# Altium PCB HIL_RIG_REV_1_1.PcbDoc (part 1 of 5) (continued)
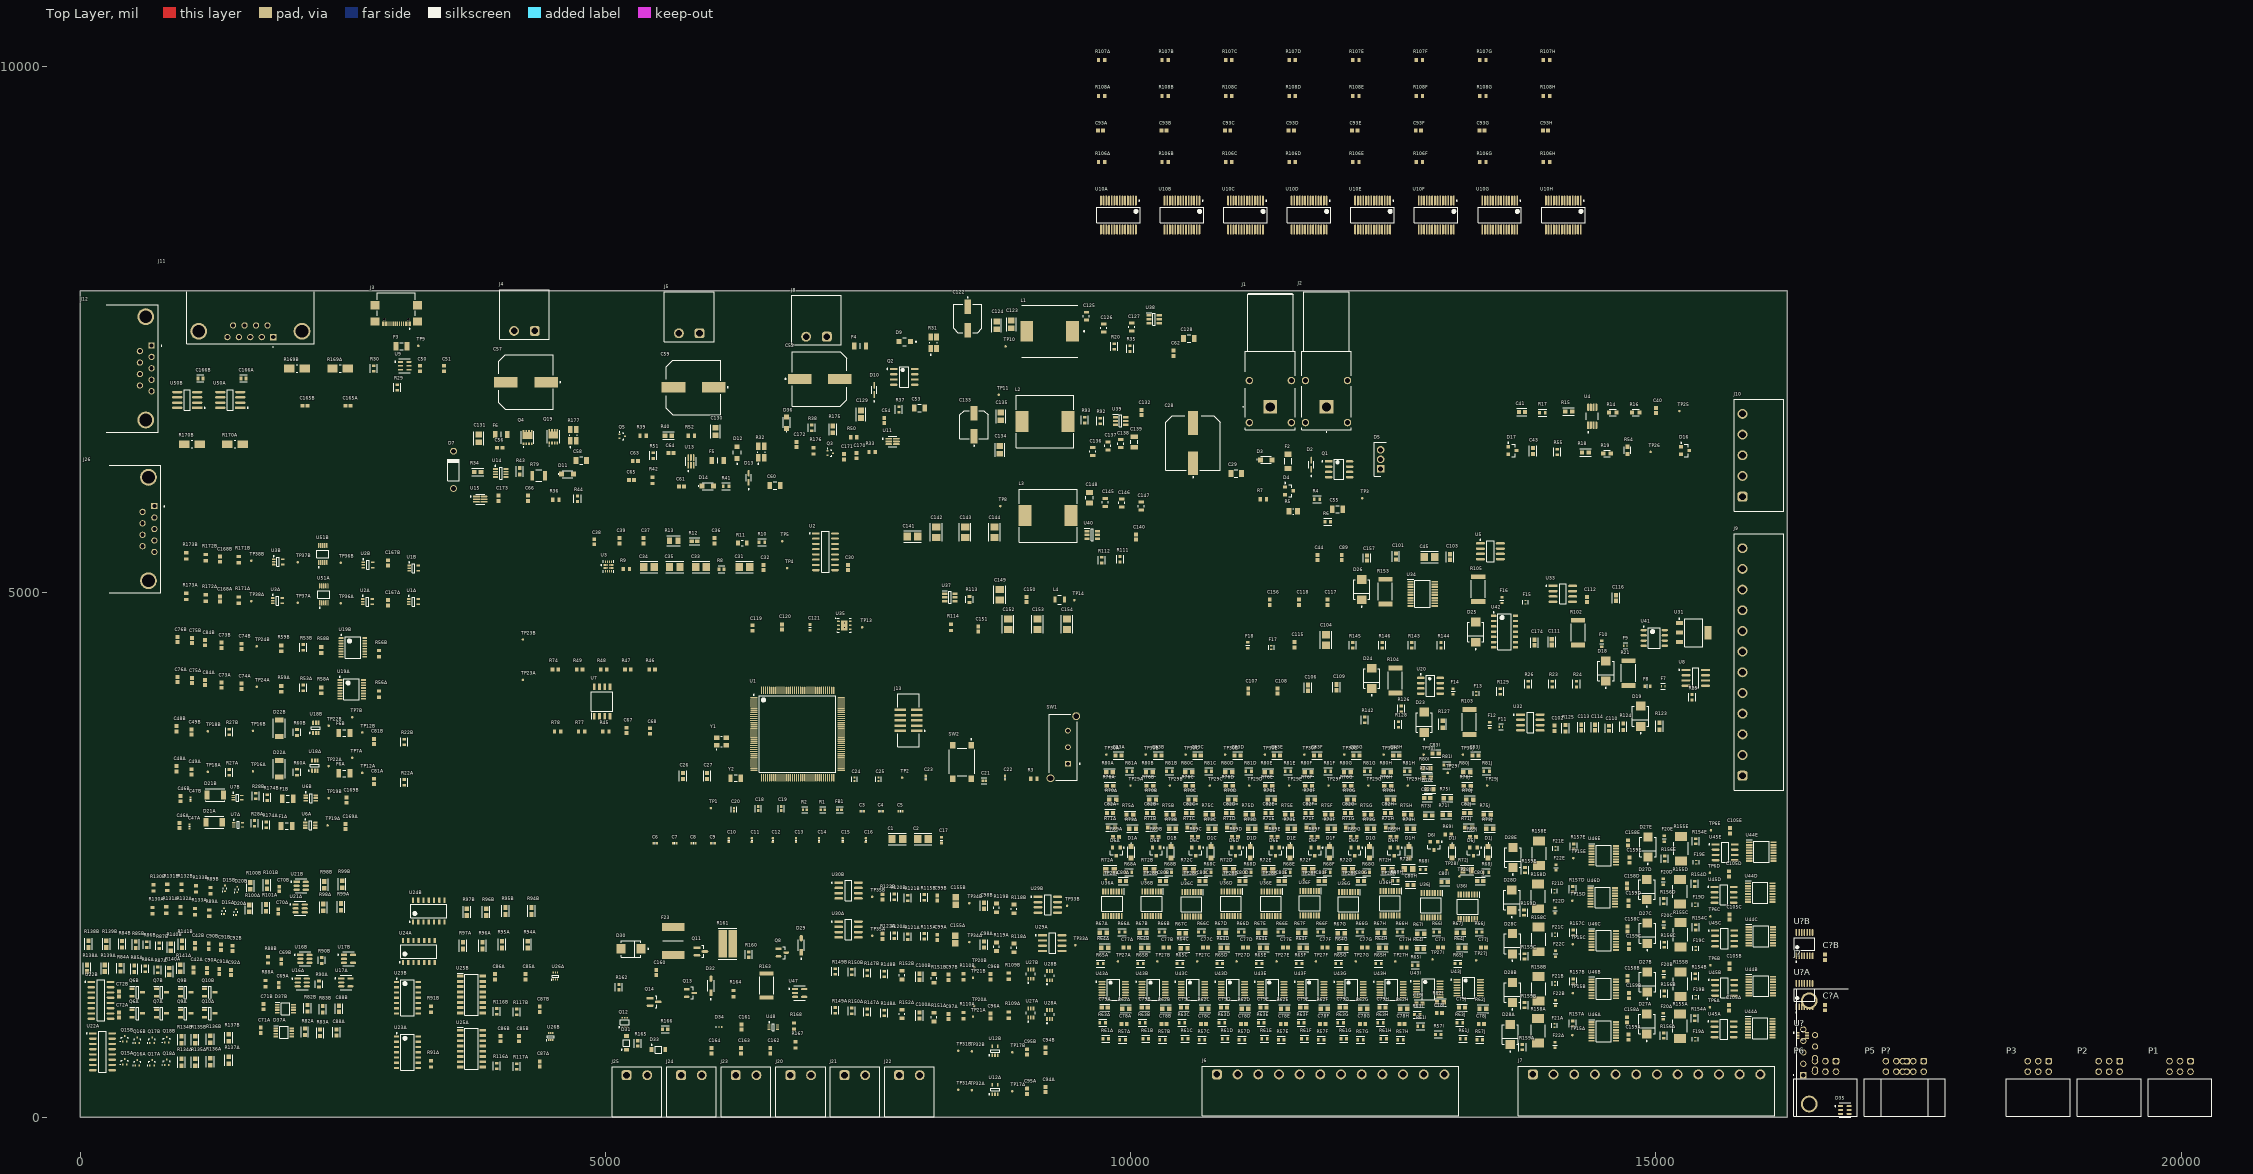
[diagram p0: Top Layer view]
## Components (designator, comment, footprint, x,y, rotation, side; value= is the part's Value field where it differs from the comment)
C1 "GCJ31CC71E106KA15K" FP-GCJ31C-0_4-IPC_B 7780,2650 r0 top value=10µF
C2 "GCJ31CC71E106KA15K" FP-GCJ31C-0_4-IPC_B 8025,2650 r0 top value=10µF
C3 "Capacitor 100nF +/-20% 10V 0402" CAPC0402(1005)60_L 7445,2915 r0 top value=100nF
C4 "Capacitor 100nF +/-20% 10V 0402" CAPC0402(1005)60_L 7625,2915 r0 top value=100nF
C5 "Capacitor 100nF +/-20% 10V 0402" CAPC0402(1005)60_L 7810,2915 r0 top value=100nF
C6 "Capacitor 100nF +/-20% 10V 0402" CAPC0402(1005)60_L 5475,2610 r0 top value=100nF
C7 "Capacitor 100nF +/-20% 10V 0402" CAPC0402(1005)60_L 5660,2610 r0 top value=100nF
C8 "Capacitor 100nF +/-20% 10V 0402" CAPC0402(1005)60_L 5840,2610 r0 top value=100nF
C9 "Capacitor 100nF +/-20% 10V 0402" CAPC0402(1005)60_L 6025,2610 r0 top value=100nF
C10 "Capacitor 100nF +/-20% 10V 0402" CAPC0402(1005)60_L 6175,2640 r90 top value=100nF
C11 "Capacitor 100nF +/-20% 10V 0402" CAPC0402(1005)60_L 6395,2640 r90 top value=100nF
C12 "Capacitor 100nF +/-20% 10V 0402" CAPC0402(1005)60_L 6595,2640 r90 top value=100nF
C13 "Capacitor 100nF +/-20% 10V 0402" CAPC0402(1005)60_L 6815,2640 r90 top value=100nF
C14 "Capacitor 100nF +/-20% 10V 0402" CAPC0402(1005)60_L 7035,2640 r90 top value=100nF
C15 "Capacitor 100nF +/-20% 10V 0402" CAPC0402(1005)60_L 7260,2640 r90 top value=100nF
C16 "Capacitor 100nF +/-20% 10V 0402" CAPC0402(1005)60_L 7480,2640 r90 top value=100nF
C17 "Capacitor 4.7µF +/-20% 10V 0603" CAPC0603(1608)100_L 8200,2640 r90 top value=4.7µF
C18 "GJM1555C1H140GB01D" FP-GJM155-0_05-IPC_A 6455,2940 r90 top value=14pF
C19 "GJM1555C1H140GB01D" FP-GJM155-0_05-IPC_A 6675,2940 r90 top value=14pF
C20 "0402YD105MAT2A" FP-0402-L_1_0_1-W_0_5_0_1-IPC_C 6225,2930 r90 top value=1µF
C21 "0402YD105MAT2A" FP-0402-L_1_0_1-W_0_5_0_1-IPC_C 8605.61,3205 r0 top value=1µF
C22 "Capacitor 10nF +/-20% 50V 0402" CAPC0402(1005)60_L 8805,3235 r90 top value=10nF
C23 "Capacitor 100nF +/-20% 10V 0402" CAPC0402(1005)60_L 8050,3235 r90 top value=100nF
C24 "CC0402MRX5R7BB225" FP-CC0402-IPC_C 7370,3220 r90 top value=2.2µF
C25 "CC0402MRX5R7BB225" FP-CC0402-IPC_C 7600,3220 r90 top value=2.2µF
C26 "C0603C209D4GACTU" FP-C0603C-CF-IPC_B 5740,3250 r90 top value=2pF
C27 "C0603C209D4GACTU" FP-C0603C-CF-IPC_B 5970,3250 r90 top value=2pF
C28 "EMVY101ARA101MKE0S" FP-MVYAKE0-MFG 10595,6420 r90 top value=100µF
C29 "GRM31C5C2A104JA01L" FP-GRM31C-0_2-e0_3_0_8-IPC_C 11005,6130 r0 top value=100nF
C30 "Capacitor 100 nF +/-10% 50 V 0603" CAPC1608X90X40NL10T20 7310,5235 r90 top value=100nF
C31 "GCJ31CC71E106KA15K" FP-GCJ31C-0_4-IPC_B 6325,5240 r0 top value=10µF
C32 "Capacitor 100 nF +/-10% 50 V 0603" CAPC1608X90X40NL10T20 6505,5235 r90 top value=100nF
C33 "GCJ31CC71E106KA15K" FP-GCJ31C-0_4-IPC_B 5910,5240 r0 top value=10µF
C34 "GCJ31CC71E106KA15K" FP-GCJ31C-0_4-IPC_B 5415,5240 r0 top value=10µF
C35 "GCJ31CC71E106KA15K" FP-GCJ31C-0_4-IPC_B 5660,5240 r0 top value=10µF
C36 "Capacitor 100 nF +/-10% 50 V 0603" CAPC1608X90X40NL10T20 6040,5490 r90 top value=100nF
C37 "Capacitor 100 nF +/-10% 50 V 0603" CAPC1608X90X40NL10T20 5365,5490 r90 top value=100nF
C38 "C0603C105M3PACTU" CAPC1608X90X35LL15T15 4895,5480 r90 top value=1µF
C39 "Capacitor 100 nF +/-10% 50 V 0603" CAPC1608X90X40NL10T20 5135,5490 r90 top value=100nF
C40 "Capacitor 100 nF +/-10% 50 V 0603" CAPC1608X90X40NL10T20 15000,6730 r90 top value=100nF
C41 "C0603C103K8RAC" FP-C0603C-CF-IPC_B 13725,6715 r0 top value=10nF
C42A "Capacitor 100 nF +/-10% 50 V 0603" CAPC1608X90X40NL10T20 1080,1405 r90 top value=100nF (schematic designator C42)
C42B "Capacitor 100 nF +/-10% 50 V 0603" CAPC1608X90X40NL10T20 1095,1635 r90 top value=100nF (schematic designator C42)
C43 "C0603C103K8RAC" FP-C0603C-CF-IPC_B 13830,6345 r90 top value=10nF
C44 "Capacitor 100 nF +/-10% 50 V 0603" CAPC1608X90X40NL10T20 11780,5330 r90 top value=100nF
C45 "GCJ31CC71E106KA15K" FP-GCJ31C-0_4-IPC_B 12845,5335 r0 top value=10µF
C46A "Capacitor 100 nF +/-10% 50 V 0603" CAPC1608X90X40NL10T20 946,2780 r90 top value=100nF (schematic designator C46)
C46B "Capacitor 100 nF +/-10% 50 V 0603" CAPC1608X90X40NL10T20 956,3035 r90 top value=100nF (schematic designator C46)
C47A "Capacitor 100nF +/-20% 10V 0402" CAPC0402(1005)60_L 1041,2770 r90 top value=100nF (schematic designator C47)
C47B "Capacitor 100nF +/-20% 10V 0402" CAPC0402(1005)60_L 1051,3030 r90 top value=100nF (schematic designator C47)
C48A "Capacitor 100 nF +/-10% 50 V 0603" CAPC1608X90X40NL10T20 916,3320 r90 top value=100nF (schematic designator C48)
C48B "Capacitor 100 nF +/-10% 50 V 0603" CAPC1608X90X40NL10T20 916,3700 r90 top value=100nF (schematic designator C48)
C49A "Capacitor 100 nF +/-10% 50 V 0603" CAPC1608X90X40NL10T20 1061,3290 r90 top value=100nF (schematic designator C49)
C49B "Capacitor 100 nF +/-10% 50 V 0603" CAPC1608X90X40NL10T20 1061,3670 r90 top value=100nF (schematic designator C49)
C50 "C0603C105M3PACTU" CAPC1608X90X35LL15T15 3235,7130 r90 top value=1µF
C51 "0603YG105ZAT4A" CAPC1608X90X35LL15T15 3465,7130 r90 top value=1µF
C52 "EMVY101ARA101MKE0S" FP-MVYAKE0-MFG 7040,7030 r0 top value=100µF
C53 "GRM31C5C2A104JA01L" FP-GRM31C-0_2-e0_3_0_8-IPC_C 7990,6755 r0 top value=100nF
C54 "Capacitor 100 nF +/-10% 50 V 0603" CAPC1608X90X40NL10T20 7655,6635 r90 top value=100nF
C55 "GRM31C5C2A104JA01L" FP-GRM31C-0_2-e0_3_0_8-IPC_C 11970,5790 r0 top value=100nF
C56 "Capacitor 100 nF +/-10% 50 V 0603" CAPC1608X90X40NL10T20 3995,6375 r180 top value=100nF
C57 "EMVY101ARA101MKE0S" FP-MVYAKE0-MFG 4245,7000 r180 top value=100µF
C58 "GRM31C5C2A104JA01L" FP-GRM31C-0_2-e0_3_0_8-IPC_C 4770,6255 r0 top value=100nF
C59 "EMVY101ARA101MKE0S" FP-MVYAKE0-MFG 5840,6950 r180 top value=100µF
C60 "GRM31C5C2A104JA01L" FP-GRM31C-0_2-e0_3_0_8-IPC_C 6615,6014.65 r0 top value=100nF
C61 "Capacitor 100 nF +/-10% 50 V 0603" CAPC1608X90X40NL10T20 5725,6004.65 r0 top value=100nF
C62 "Capacitor 100 nF +/-10% 50 V 0603" CAPC1608X90X40NL10T20 10410,7275 r90 top value=100nF
C63 "Capacitor 100 nF +/-10% 50 V 0603" CAPC1608X90X40NL10T20 5285.35,6250 r180 top value=100nF
C64 "Capacitor 100 nF +/-10% 50 V 0603" CAPC1608X90X40NL10T20 5625,6325 r180 top value=100nF
C65 "Capacitor 100 nF +/-10% 50 V 0603" CAPC1608X90X40NL10T20 5250,6070 r180 top value=100nF
C66 "Capacitor 100 nF +/-10% 50 V 0603" CAPC1608X90X40NL10T20 4265,5895 r90 top value=100nF
C67 "Capacitor 100 nF +/-10% 50 V 0603" CAPC1608X90X40NL10T20 5200,3685 r90 top value=100nF
C68 "0603YG105ZAT4A" CAPC1608X90X35LL15T15 5425,3680 r90 top value=1µF
C69A "Capacitor 1 uF +/- 10% 25 V 0603" CAPC1608X90X40LL10T20 1890,1260 r90 top value=1µF (schematic designator C69)
C69B "Capacitor 1 uF +/- 10% 25 V 0603" CAPC1608X90X40LL10T20 1915,1485 r90 top value=1µF (schematic designator C69)
C70A "Capacitor 1 uF +/- 10% 25 V 0603" CAPC1608X90X40LL10T20 1885,1960 r90 top value=1µF (schematic designator C70)
C70B "Capacitor 1 uF +/- 10% 25 V 0603" CAPC1608X90X40LL10T20 1895,2175 r90 top value=1µF (schematic designator C70)
C71A "Capacitor 100 nF +/-10% 50 V 0603" CAPC1608X90X40NL10T20 1720,830 r90 top value=100nF (schematic designator C71)
C71B "Capacitor 100 nF +/-10% 50 V 0603" CAPC1608X90X40NL10T20 1745,1055 r90 top value=100nF (schematic designator C71)
C72A "Capacitor 100 nF +/-10% 50 V 0603" CAPC1608X90X40NL10T20 370,975 r90 top value=100nF (schematic designator C72)
C72B "Capacitor 100 nF +/-10% 50 V 0603" CAPC1608X90X40NL10T20 370,1175 r90 top value=100nF (schematic designator C72)
C73A "Capacitor 100 nF +/-10% 50 V 0603" CAPC1608X90X40NL10T20 1346,4115 r90 top value=100nF (schematic designator C73)
C73B "Capacitor 100 nF +/-10% 50 V 0603" CAPC1608X90X40NL10T20 1346,4495 r90 top value=100nF (schematic designator C73)
C74A "Capacitor 100 nF +/-10% 50 V 0603" CAPC1608X90X40NL10T20 1536,4105 r90 top value=100nF (schematic designator C74)
C74B "Capacitor 100 nF +/-10% 50 V 0603" CAPC1608X90X40NL10T20 1536,4485 r90 top value=100nF (schematic designator C74)
C75A "Capacitor 100 nF +/-10% 50 V 0603" CAPC1608X90X40NL10T20 1066,4160 r90 top value=100nF (schematic designator C75)
C75B "Capacitor 100 nF +/-10% 50 V 0603" CAPC1608X90X40NL10T20 1066,4540 r90 top value=100nF (schematic designator C75)
C76A "Capacitor 100 nF +/-10% 50 V 0603" CAPC1608X90X40NL10T20 926,4170 r90 top value=100nF (schematic designator C76)
C76B "Capacitor 100 nF +/-10% 50 V 0603" CAPC1608X90X40NL10T20 926,4550 r90 top value=100nF (schematic designator C76)
C77A "Capacitor 100 nF +/-10% 50 V 0603" CAPC1608X90X40NL10T20 9959.32,1620 r0 top value=100nF (schematic designator C77)
C77B "Capacitor 100 nF +/-10% 50 V 0603" CAPC1608X90X40NL10T20 10339.32,1620 r0 top value=100nF (schematic designator C77)
C77C "Capacitor 100 nF +/-10% 50 V 0603" CAPC1608X90X40NL10T20 10714.32,1620 r0 top value=100nF (schematic designator C77)
C77D "Capacitor 100 nF +/-10% 50 V 0603" CAPC1608X90X40NL10T20 11094.32,1620 r0 top value=100nF (schematic designator C77)
C77E "Capacitor 100 nF +/-10% 50 V 0603" CAPC1608X90X40NL10T20 11474.32,1620 r0 top value=100nF (schematic designator C77)
C77F "Capacitor 100 nF +/-10% 50 V 0603" CAPC1608X90X40NL10T20 11849.32,1620 r0 top value=100nF (schematic designator C77)
C77G "Capacitor 100 nF +/-10% 50 V 0603" CAPC1608X90X40NL10T20 12229.32,1620 r0 top value=100nF (schematic designator C77)
C77H "Capacitor 100 nF +/-10% 50 V 0603" CAPC1608X90X40NL10T20 12604.32,1620 r0 top value=100nF (schematic designator C77)
C77I "Capacitor 100 nF +/-10% 50 V 0603" CAPC1608X90X40NL10T20 12950,1620 r0 top value=100nF (schematic designator C77)
C77J "Capacitor 100 nF +/-10% 50 V 0603" CAPC1608X90X40NL10T20 13359.32,1620 r0 top value=100nF (schematic designator C77)
C78A "Capacitor 100 nF +/-10% 50 V 0603" CAPC1608X90X40NL10T20 9939.32,890 r0 top value=100nF (schematic designator C78)
C78B "Capacitor 100 nF +/-10% 50 V 0603" CAPC1608X90X40NL10T20 10319.32,890 r0 top value=100nF (schematic designator C78)
C78C "Capacitor 100 nF +/-10% 50 V 0603" CAPC1608X90X40NL10T20 10694.32,890 r0 top value=100nF (schematic designator C78)
C78D "Capacitor 100 nF +/-10% 50 V 0603" CAPC1608X90X40NL10T20 11074.32,890 r0 top value=100nF (schematic designator C78)
C78E "Capacitor 100 nF +/-10% 50 V 0603" CAPC1608X90X40NL10T20 11454.32,890 r0 top value=100nF (schematic designator C78)
C78F "Capacitor 100 nF +/-10% 50 V 0603" CAPC1608X90X40NL10T20 11829.32,890 r0 top value=100nF (schematic designator C78)
C78G "Capacitor 100 nF +/-10% 50 V 0603" CAPC1608X90X40NL10T20 12209.32,890 r0 top value=100nF (schematic designator C78)
C78H "Capacitor 100 nF +/-10% 50 V 0603" CAPC1608X90X40NL10T20 12584.32,890 r0 top value=100nF (schematic designator C78)
C78I "Capacitor 100 nF +/-10% 50 V 0603" CAPC1608X90X40NL10T20 12939.32,995 r0 top value=100nF (schematic designator C78)
C78J "Capacitor 100 nF +/-10% 50 V 0603" CAPC1608X90X40NL10T20 13339.32,890 r0 top value=100nF (schematic designator C78)
C79A "C0603C102K4RAC7411" FP-C0603C-CF-IPC_B 9754.32,1045 r0 top value=1nF (schematic designator C79)
C79B "C0603C102K4RAC7411" FP-C0603C-CF-IPC_B 10134.32,1045 r0 top value=1nF (schematic designator C79)
C79C "C0603C102K4RAC7411" FP-C0603C-CF-IPC_B 10509.32,1045 r0 top value=1nF (schematic designator C79)
C79D "C0603C102K4RAC7411" FP-C0603C-CF-IPC_B 10889.32,1045 r0 top value=1nF (schematic designator C79)
C79E "C0603C102K4RAC7411" FP-C0603C-CF-IPC_B 11264.32,1045 r0 top value=1nF (schematic designator C79)
C79F "C0603C102K4RAC7411" FP-C0603C-CF-IPC_B 11644.32,1045 r0 top value=1nF (schematic designator C79)
C79G "C0603C102K4RAC7411" FP-C0603C-CF-IPC_B 12019.32,1045 r0 top value=1nF (schematic designator C79)
C79H "C0603C102K4RAC7411" FP-C0603C-CF-IPC_B 12399.32,1045 r0 top value=1nF (schematic designator C79)
C79I "C0603C102K4RAC7411" FP-C0603C-CF-IPC_B 12749.32,1085 r0 top value=1nF (schematic designator C79)
C79J "C0603C102K4RAC7411" FP-C0603C-CF-IPC_B 13154.32,1045 r0 top value=1nF (schematic designator C79)
C80A "C0603C102K4RAC7411" FP-C0603C-CF-IPC_B 9929.32,2250 r0 top value=1nF (schematic designator C80)
C80B "C0603C102K4RAC7411" FP-C0603C-CF-IPC_B 10309.32,2250 r0 top value=1nF (schematic designator C80)
C80C "C0603C102K4RAC7411" FP-C0603C-CF-IPC_B 10684.32,2250 r0 top value=1nF (schematic designator C80)
C80D "C0603C102K4RAC7411" FP-C0603C-CF-IPC_B 11064.32,2250 r0 top value=1nF (schematic designator C80)
C80E "C0603C102K4RAC7411" FP-C0603C-CF-IPC_B 11439.32,2250 r0 top value=1nF (schematic designator C80)
C80F "C0603C102K4RAC7411" FP-C0603C-CF-IPC_B 11819.32,2250 r0 top value=1nF (schematic designator C80)
C80G "C0603C102K4RAC7411" FP-C0603C-CF-IPC_B 12194.32,2250 r0 top value=1nF (schematic designator C80)
C80H "C0603C102K4RAC7411" FP-C0603C-CF-IPC_B 12665,2215 r0 top value=1nF (schematic designator C80)
C80I "C0603C102K4RAC7411" FP-C0603C-CF-IPC_B 12990,2240 r0 top value=1nF (schematic designator C80)
C80J "C0603C102K4RAC7411" FP-C0603C-CF-IPC_B 13329.32,2250 r0 top value=1nF (schematic designator C80)
C81A "Capacitor 100 nF +/-10% 50 V 0603" CAPC1608X90X40NL10T20 2796,3200 r90 top value=100nF (schematic designator C81)
C81B "Capacitor 100 nF +/-10% 50 V 0603" CAPC1608X90X40NL10T20 2796,3580 r90 top value=100nF (schematic designator C81)
C82A "C0603C102K4RAC7411" FP-C0603C-CF-IPC_B 9804.32,2900 r0 top value=1nF (schematic designator C82)
C82B "C0603C102K4RAC7411" FP-C0603C-CF-IPC_B 10184.32,2900 r0 top value=1nF (schematic designator C82)
C82C "C0603C102K4RAC7411" FP-C0603C-CF-IPC_B 10559.32,2900 r0 top value=1nF (schematic designator C82)
C82D "C0603C102K4RAC7411" FP-C0603C-CF-IPC_B 10939.32,2900 r0 top value=1nF (schematic designator C82)
C82E "C0603C102K4RAC7411" FP-C0603C-CF-IPC_B 11314.32,2900 r0 top value=1nF (schematic designator C82)
C82F "C0603C102K4RAC7411" FP-C0603C-CF-IPC_B 11694.32,2900 r0 top value=1nF (schematic designator C82)
C82G "C0603C102K4RAC7411" FP-C0603C-CF-IPC_B 12069.32,2900 r0 top value=1nF (schematic designator C82)
C82H "C0603C102K4RAC7411" FP-C0603C-CF-IPC_B 12449.32,2900 r0 top value=1nF (schematic designator C82)
C82I "C0603C102K4RAC7411" FP-C0603C-CF-IPC_B 12824.32,3040 r0 top value=1nF (schematic designator C82)
C82J "C0603C102K4RAC7411" FP-C0603C-CF-IPC_B 13204.32,2900 r0 top value=1nF (schematic designator C82)
C83A "C0603C102K4RAC7411" FP-C0603C-CF-IPC_B 9884.32,3445 r0 top value=1nF (schematic designator C83)
C83B "C0603C102K4RAC7411" FP-C0603C-CF-IPC_B 10264.32,3445 r0 top value=1nF (schematic designator C83)
C83C "C0603C102K4RAC7411" FP-C0603C-CF-IPC_B 10639.32,3445 r0 top value=1nF (schematic designator C83)
C83D "C0603C102K4RAC7411" FP-C0603C-CF-IPC_B 11019.32,3445 r0 top value=1nF (schematic designator C83)
C83E "C0603C102K4RAC7411" FP-C0603C-CF-IPC_B 11394.32,3445 r0 top value=1nF (schematic designator C83)
C83F "C0603C102K4RAC7411" FP-C0603C-CF-IPC_B 11774.32,3445 r0 top value=1nF (schematic designator C83)
C83G "C0603C102K4RAC7411" FP-C0603C-CF-IPC_B 12149.32,3445 r0 top value=1nF (schematic designator C83)
C83H "C0603C102K4RAC7411" FP-C0603C-CF-IPC_B 12529.32,3445 r0 top value=1nF (schematic designator C83)
C83I "C0603C102K4RAC7411" FP-C0603C-CF-IPC_B 12904.32,3465 r0 top value=1nF (schematic designator C83)
C83J "C0603C102K4RAC7411" FP-C0603C-CF-IPC_B 13284.32,3445 r0 top value=1nF (schematic designator C83)
C84A "Capacitor 100 nF +/-10% 50 V 0603" CAPC1608X90X40NL10T20 1191,4140 r90 top value=100nF (schematic designator C84)
C84B "Capacitor 100 nF +/-10% 50 V 0603" CAPC1608X90X40NL10T20 1191,4520 r90 top value=100nF (schematic designator C84)
C85A "Capacitor 100 nF +/-10% 50 V 0603" CAPC1608X90X40NL10T20 4241,1340 r90 top value=100nF (schematic designator C85)
C85B "Capacitor 100 nF +/-10% 50 V 0603" CAPC1608X90X40NL10T20 4180,750 r90 top value=100nF (schematic designator C85)
C86A "Capacitor 100 nF +/-10% 50 V 0603" CAPC1608X90X40NL10T20 3951,1340 r90 top value=100nF (schematic designator C86)
C86B "Capacitor 100 nF +/-10% 50 V 0603" CAPC1608X90X40NL10T20 4001,750 r90 top value=100nF (schematic designator C86)
C87A "Capacitor 100 nF +/-10% 50 V 0603" CAPC1608X90X40NL10T20 4376,510 r90 top value=100nF (schematic designator C87)
C87B "Capacitor 100 nF +/-10% 50 V 0603" CAPC1608X90X40NL10T20 4376,1030 r90 top value=100nF (schematic designator C87)
C88A "C0603C101F5HACTU" FP-C0603C-CF-IPC_B 2440,810 r90 top value=100pF (schematic designator C88)
C88B "C0603C101F5HACTU" FP-C0603C-CF-IPC_B 2465,1035 r90 top value=100pF (schematic designator C88)
C89 "Capacitor 100 nF +/-10% 50 V 0603" CAPC1608X90X40NL10T20 12010,5330 r90 top value=100nF
C90A "Capacitor 100 nF +/-10% 50 V 0603" CAPC1608X90X40NL10T20 1210,1400 r90 top value=100nF (schematic designator C90)
C90B "Capacitor 100 nF +/-10% 50 V 0603" CAPC1608X90X40NL10T20 1225,1630 r90 top value=100nF (schematic designator C90)
C91A "Capacitor 100 nF +/-10% 50 V 0603" CAPC1608X90X40NL10T20 1325,1390 r90 top value=100nF (schematic designator C91)
C91B "Capacitor 100 nF +/-10% 50 V 0603" CAPC1608X90X40NL10T20 1340,1620 r90 top value=100nF (schematic designator C91)
C92A "Capacitor 100 nF +/-10% 50 V 0603" CAPC1608X90X40NL10T20 1435,1380 r90 top value=100nF (schematic designator C92)
C92B "Capacitor 100 nF +/-10% 50 V 0603" CAPC1608X90X40NL10T20 1450,1610 r90 top value=100nF (schematic designator C92)
C93A "Capacitor 100 nF +/-10% 50 V 0603" CAPC1608X90X40NL10T20 9714.32,9395 r0 top value=100nF (schematic designator C93)
C93B "Capacitor 100 nF +/-10% 50 V 0603" CAPC1608X90X40NL10T20 10319.32,9395 r0 top value=100nF (schematic designator C93)
C93C "Capacitor 100 nF +/-10% 50 V 0603" CAPC1608X90X40NL10T20 10924.32,9395 r0 top value=100nF (schematic designator C93)
C93D "Capacitor 100 nF +/-10% 50 V 0603" CAPC1608X90X40NL10T20 11529.32,9395 r0 top value=100nF (schematic designator C93)
C93E "Capacitor 100 nF +/-10% 50 V 0603" CAPC1608X90X40NL10T20 12134.32,9395 r0 top value=100nF (schematic designator C93)
C93F "Capacitor 100 nF +/-10% 50 V 0603" CAPC1608X90X40NL10T20 12739.32,9395 r0 top value=100nF (schematic designator C93)
C93G "Capacitor 100 nF +/-10% 50 V 0603" CAPC1608X90X40NL10T20 13344.32,9395 r0 top value=100nF (schematic designator C93)
C93H "Capacitor 100 nF +/-10% 50 V 0603" CAPC1608X90X40NL10T20 13949.32,9395 r0 top value=100nF (schematic designator C93)
C94A "Capacitor 100 nF +/-10% 50 V 0603" CAPC1608X90X40NL10T20 9190,265 r90 top value=100nF (schematic designator C94)
C94B "Capacitor 100 nF +/-10% 50 V 0603" CAPC1608X90X40NL10T20 9190,640 r90 top value=100nF (schematic designator C94)
C95A "Capacitor 100 nF +/-10% 50 V 0603" CAPC1608X90X40NL10T20 9015,250 r90 top value=100nF (schematic designator C95)
C95B "Capacitor 100 nF +/-10% 50 V 0603" CAPC1608X90X40NL10T20 9015,625 r90 top value=100nF (schematic designator C95)
C96A "Capacitor 100 nF +/-10% 50 V 0603" CAPC1608X90X40NL10T20 8665,965 r90 top value=100nF (schematic designator C96)
C96B "Capacitor 100 nF +/-10% 50 V 0603" CAPC1608X90X40NL10T20 8665,1340 r90 top value=100nF (schematic designator C96)
C97A "Capacitor 100 nF +/-10% 50 V 0603" CAPC1608X90X40NL10T20 8265,960 r90 top value=100nF (schematic designator C97)
C97B "Capacitor 100 nF +/-10% 50 V 0603" CAPC1608X90X40NL10T20 8265,1335 r90 top value=100nF (schematic designator C97)
C98A "C0603C102K4RAC7411" FP-C0603C-CF-IPC_B 8605,1645 r90 top value=1nF (schematic designator C98)
C98B "C0603C102K4RAC7411" FP-C0603C-CF-IPC_B 8605,2015 r90 top value=1nF (schematic designator C98)
C99A "Capacitor 100 nF +/-10% 50 V 0603" CAPC1608X90X40NL10T20 8160,1715 r90 top value=100nF (schematic designator C99)
C99B "Capacitor 100 nF +/-10% 50 V 0603" CAPC1608X90X40NL10T20 8160,2090 r90 top value=100nF (schematic designator C99)
C100A "C0603C102K4RAC7411" FP-C0603C-CF-IPC_B 7990,970 r90 top value=1nF (schematic designator C100)
C100B "C0603C102K4RAC7411" FP-C0603C-CF-IPC_B 7990,1340 r90 top value=1nF (schematic designator C100)
C101 "C0603C103J5RAC" FP-C0603C-CF-IPC_B 12525,5340 r90 top value=10nF
C102 "Capacitor 100 nF +/-10% 50 V 0603" CAPC1608X90X40NL10T20 14035,3705 r90 top value=100nF
C103 "CC0603KRX7R9BB105" FP-CC0603-DB-IPC_B 13040,5335 r90 top value=1µF
C104 "GCJ31CC71E106KA15K" FP-GCJ31C-0_4-IPC_B 11860,4545 r90 top value=10µF
C105A "Capacitor 100 nF +/-10% 50 V 0603" CAPC1608X90X40NL10T20 15695,1044.32 r90 top value=100nF (schematic designator C105)
C105B "Capacitor 100 nF +/-10% 50 V 0603" CAPC1608X90X40NL10T20 15700,1439.32 r90 top value=100nF (schematic designator C105)
C105C "Capacitor 100 nF +/-10% 50 V 0603" CAPC1608X90X40NL10T20 15700,1909.32 r90 top value=100nF (schematic designator C105)
C105D "Capacitor 100 nF +/-10% 50 V 0603" CAPC1608X90X40NL10T20 15695,2319.32 r90 top value=100nF (schematic designator C105)
C105E "Capacitor 100 nF +/-10% 50 V 0603" CAPC1608X90X40NL10T20 15705,2729.32 r90 top value=100nF (schematic designator C105)
C106 "CC0603KRX7R9BB105" FP-CC0603-DB-IPC_B 11690,4090 r90 top value=1µF
C107 "Capacitor 100 nF +/-10% 50 V 0603" CAPC1608X90X40NL10T20 11120,4060 r90 top value=100nF
C108 "Capacitor 100 nF +/-10% 50 V 0603" CAPC1608X90X40NL10T20 11400,4060 r90 top value=100nF
C109 "CC0603KRX7R9BB105" FP-CC0603-DB-IPC_B 11960,4095 r90 top value=1µF
C110 "GRM188R6YA106MA73D" FP-GRM188-0_2-IPC_C 14555,3705 r90 top value=10µF
C111 "CC0603KRX5R9BB225" FP-CC0603-DC-IPC_B 14010,4525 r90 top value=2.2µF
C112 "Capacitor 100 nF +/-10% 50 V 0603" CAPC1608X90X40NL10T20 14345,4930 r90 top value=100nF
C113 "CC0603KRX7R9BB105" FP-CC0603-DB-IPC_B 14290,3713.38 r90 top value=1µF
C114 "CC0603KRX7R9BB105" FP-CC0603-DB-IPC_B 14420,3713.38 r90 top value=1µF
C115 "Capacitor 100 nF +/-10% 50 V 0603" CAPC1608X90X40NL10T20 11560,4500 r90 top value=100nF
C116 "CC0603KRX7R9BB105" FP-CC0603-DB-IPC_B 14620,4945 r90 top value=1µF
C117 "Capacitor 100 nF +/-10% 50 V 0603" CAPC1608X90X40NL10T20 11875,4905 r90 top value=100nF
C118 "Capacitor 100 nF +/-10% 50 V 0603" CAPC1608X90X40NL10T20 11605,4905 r90 top value=100nF
C119 "C0603C105M3PACTU" CAPC1608X90X35LL15T15 6400,4660 r90 top value=1µF
C120 "Capacitor 100 nF +/-10% 50 V 0603" CAPC1608X90X40NL10T20 6680,4670 r90 top value=100nF
C121 "Capacitor 4.7µF +/-20% 10V 0603" CAPC0603(1608)100_L 6950,4665 r90 top value=4.7µF
C122 "50SVPF10M" FP-OS-CON-SMT-C6-MFG 8450,7605.24 r270 top value=10µF
C123 "GRM21BR61H475ME51L" FP-GRM21B-0_15-IPC_A 8865,7550 r90 top value=4.7µF
C124 "GRM21BR61H475ME51L" FP-GRM21B-0_15-IPC_A 8725,7540 r90 top value=4.7µF
C125 "GRM21BC72A105KE01K" FP-GRM21B-0_2-e0_2_0_7-MFG 9580,7627.6 r90 top value=1µF
C126 "GRM21BC72A105KE01K" FP-GRM21B-0_2-e0_2_0_7-MFG 9745,7515 r90 top value=1µF
C127 "GRM21BC72A105KE01K" FP-GRM21B-0_2-e0_2_0_7-MFG 10010,7525 r90 top value=1µF
C128 "GRM31C5C2A104JA01L" FP-GRM31C-0_2-e0_3_0_8-IPC_C 10555,7415 r180 top value=100nF
C129 "GRM21BR61H475ME51L" FP-GRM21B-0_15-IPC_A 7435,6693.53 r90 top value=4.7µF
C130 "GRM21BR61H475ME51L" FP-GRM21B-0_15-IPC_A 6050,6530 r90 top value=4.7µF
C131 "GRM21BR61H475ME51L" FP-GRM21B-0_15-IPC_A 3795,6463.53 r90 top value=4.7µF
C132 "Capacitor 100 nF +/-10% 50 V 0603" CAPC1608X90X40NL10T20 10105,6710 r90 top value=100nF
C133 "50SVPF10M" FP-OS-CON-SMT-C6-MFG 8510,6595.24 r90 top value=10µF
C134 "GRM21BR61H475ME51L" FP-GRM21B-0_15-IPC_A 8755,6355 r90 top value=4.7µF
C135 "GRM21BR61H475ME51L" FP-GRM21B-0_15-IPC_A 8765,6673.53 r90 top value=4.7µF
C136 "GRM21BC72A105KE01K" FP-GRM21B-0_2-e0_2_0_7-MFG 9640,6340 r90 top value=1µF
C137 "GRM21BC72A105KE01K" FP-GRM21B-0_2-e0_2_0_7-MFG 9785,6392.6 r90 top value=1µF
C138 "GRM21BC72A105KE01K" FP-GRM21B-0_2-e0_2_0_7-MFG 9905,6415 r90 top value=1µF
C139 "GRM31C5C2A104JA01L" FP-GRM31C-0_2-e0_3_0_8-IPC_C 10035,6430 r90 top value=100nF
C140 "Capacitor 100 nF +/-10% 50 V 0603" CAPC1608X90X40NL10T20 10050,5525 r90 top value=100nF
C141 "GCJ31CC71E106KA15K" FP-GCJ31C-0_4-IPC_B 7925,5530 r0 top value=10µF
C142 "GCJ31CC71E106KA15K" FP-GCJ31C-0_4-IPC_B 8150,5570 r90 top value=10µF
C143 "GCJ31CC71E106KA15K" FP-GCJ31C-0_4-IPC_B 8425,5570 r90 top value=10µF
C144 "GCJ31CC71E106KA15K" FP-GCJ31C-0_4-IPC_B 8705,5570 r90 top value=10µF
C145 "GRM21BC72A105KE01K" FP-GRM21B-0_2-e0_2_0_7-MFG 9760,5855 r90 top value=1µF
C146 "GRM21BC72A105KE01K" FP-GRM21B-0_2-e0_2_0_7-MFG 9915,5850 r90 top value=1µF
C147 "GRM21BC72A105KE01K" FP-GRM21B-0_2-e0_2_0_7-MFG 10100,5820 r90 top value=1µF
C148 "GRM31C5C2A104JA01L" FP-GRM31C-0_2-e0_3_0_8-IPC_C 9610,5900 r90 top value=100nF
C149 "GCJ31CC71E106KA15K" FP-GCJ31C-0_4-IPC_B 8755,4975 r90 top value=10µF
C150 "Capacitor 100 nF +/-10% 50 V 0603" CAPC1608X90X40NL10T20 9010,4930 r90 top value=100nF
C151 "Capacitor 100 nF +/-10% 50 V 0603" CAPC1608X90X40NL10T20 8550,4650 r90 top value=100nF
C152 "GCJ31CC71E106KA15K" FP-GCJ31C-0_4-IPC_B 8835,4695 r90 top value=10µF
C153 "GCJ31CC71E106KA15K" FP-GCJ31C-0_4-IPC_B 9115,4695 r90 top value=10µF
C154 "GCJ31CC71E106KA15K" FP-GCJ31C-0_4-IPC_B 9395,4695 r90 top value=10µF
C155A "TAJR225M010RNJ" CAPC2113X120X50ML20T30 8330,1695 r90 top value=2.2µF (schematic designator C155)
C155B "TAJR225M010RNJ" CAPC2113X120X50ML20T30 8335,2060 r90 top value=2.2µF (schematic designator C155)
C156 "Capacitor 100 nF +/-10% 50 V 0603" CAPC1608X90X40NL10T20 11325,4905 r90 top value=100nF
C157 "GRM188R61E475KE15D" FP-GRM188-0_2-IPC_C 12250,5325 r90 top value=4.7µF
C158A "Capacitor 100 nF +/-10% 50 V 0603" CAPC1608X90X40NL10T20 14725,929.32 r90 top value=100nF (schematic designator C158)
C158B "Capacitor 100 nF +/-10% 50 V 0603" CAPC1608X90X40NL10T20 14730,1324.32 r90 top value=100nF (schematic designator C158)
C158C "Capacitor 100 nF +/-10% 50 V 0603" CAPC1608X90X40NL10T20 14730,1794.32 r90 top value=100nF (schematic designator C158)
C158D "Capacitor 100 nF +/-10% 50 V 0603" CAPC1608X90X40NL10T20 14725,2204.32 r90 top value=100nF (schematic designator C158)
C158E "Capacitor 100 nF +/-10% 50 V 0603" CAPC1608X90X40NL10T20 14735,2614.32 r90 top value=100nF (schematic designator C158)
C159A "Capacitor 100 nF +/-10% 50 V 0603" CAPC1608X90X40NL10T20 14740,764.32 r90 top value=100nF (schematic designator C159)
C159B "Capacitor 100 nF +/-10% 50 V 0603" CAPC1608X90X40NL10T20 14745,1159.32 r90 top value=100nF (schematic designator C159)
C159C "Capacitor 100 nF +/-10% 50 V 0603" CAPC1608X90X40NL10T20 14745,1629.32 r90 top value=100nF (schematic designator C159)
C159D "Capacitor 100 nF +/-10% 50 V 0603" CAPC1608X90X40NL10T20 14740,2039.32 r90 top value=100nF (schematic designator C159)
C159E "Capacitor 100 nF +/-10% 50 V 0603" CAPC1608X90X40NL10T20 14750,2449.32 r90 top value=100nF (schematic designator C159)
C160 "Capacitor 100 nF +/-10% 50 V 0603" CAPC1608X90X40NL10T20 5485,1380 r90 top value=100nF
C161 "Capacitor 100 nF +/-10% 50 V 0603" CAPC1608X90X40NL10T20 6295,860 r90 top value=100nF
C162 "Capacitor 100 nF +/-10% 50 V 0603" CAPC1608X90X40NL10T20 6570,635 r90 top value=100nF
C163 "Capacitor 100 nF +/-10% 50 V 0603" CAPC1608X90X40NL10T20 6290,635 r90 top value=100nF
C164 "Capacitor 100 nF +/-10% 50 V 0603" CAPC1608X90X40NL10T20 6010,635 r90 top value=100nF
C165A "Capacitor 100 nF +/-10% 50 V 0603" CAPC1608X90X40NL10T20 2550,6775 r180 top value=100nF (schematic designator C165)
C165B "Capacitor 100 nF +/-10% 50 V 0603" CAPC1608X90X40NL10T20 2140,6775 r180 top value=100nF (schematic designator C165)
C166A "4.7nf" FP-C0603C-CF-MFG 1555,7035 r180 top value="4,700 pF" (schematic designator C166)
C166B "4.7nf" FP-C0603C-CF-MFG 1145,7035 r180 top value="4,700 pF" (schematic designator C166)
C167A "Capacitor 100 nF +/-10% 50 V 0603" CAPC1608X90X40NL10T20 2931,4900 r90 top value=100nF (schematic designator C167)
C167B "Capacitor 100 nF +/-10% 50 V 0603" CAPC1608X90X40NL10T20 2931,5280 r90 top value=100nF (schematic designator C167)
C168A "Capacitor 100 nF +/-10% 50 V 0603" CAPC1608X90X40NL10T20 1331,4935 r90 top value=100nF (schematic designator C168)
C168B "Capacitor 100 nF +/-10% 50 V 0603" CAPC1608X90X40NL10T20 1331,5315 r90 top value=100nF (schematic designator C168)
C169A "Capacitor 100 nF +/-10% 50 V 0603" CAPC1608X90X40NL10T20 2525,2770 r90 top value=100nF (schematic designator C169)
C169B "Capacitor 100 nF +/-10% 50 V 0603" CAPC1608X90X40NL10T20 2535,3020.39 r90 top value=100nF (schematic designator C169)
C170 "Capacitor 100 nF +/-10% 50 V 0603" CAPC1608X90X40NL10T20 7390,6299.61 r90 top value=100nF
C171 "Capacitor 100 nF +/-10% 50 V 0603" CAPC1608X90X40NL10T20 7270,6290 r90 top value=100nF
C172 "Capacitor 100 nF +/-10% 50 V 0603" CAPC1608X90X40NL10T20 6820,6405 r90 top value=100nF
C173 "Capacitor 100 nF +/-10% 50 V 0603" CAPC1608X90X40NL10T20 3985,5895 r90 top value=100nF
C174 "CC0603KRX7R9BB105" FP-CC0603-DB-IPC_B 13845,4520 r90 top value=1µF
C?A "Capacitor 100 nF +/-10% 50 V 0603" CAPC1608X90X40NL10T20 16610,1045 r90 top value=100nF (schematic designator C?)
C?B "Capacitor 100 nF +/-10% 50 V 0603" CAPC1608X90X40NL10T20 16610,1525 r90 top value=100nF (schematic designator C?)
D1A "PTVS58VS1UR,115" SOD123W 10004.32,2525 r270 top (schematic designator D1)
D1B "PTVS58VS1UR,115" SOD123W 10384.32,2525 r270 top (schematic designator D1)
D1C "PTVS58VS1UR,115" SOD123W 10764.32,2525 r270 top (schematic designator D1)
D1D "PTVS58VS1UR,115" SOD123W 11139.32,2525 r270 top (schematic designator D1)
D1E "PTVS58VS1UR,115" SOD123W 11519.32,2525 r270 top (schematic designator D1)
D1F "PTVS58VS1UR,115" SOD123W 11894.32,2525 r270 top (schematic designator D1)
D1G "PTVS58VS1UR,115" SOD123W 12274.32,2525 r270 top (schematic designator D1)
D1H "PTVS58VS1UR,115" SOD123W 12649.32,2525 r270 top (schematic designator D1)
D1I "PTVS58VS1UR,115" SOD123W 13060,2525.12 r270 top (schematic designator D1)
D1J "PTVS58VS1UR,115" SOD123W 13404.32,2525 r270 top (schematic designator D1)
D2 "BZT52C15S-7-F" FP-SOD323-IPC_A 11720,6215 r90 top
D3 "PTVS58VS1UR,115" SOD123W 11290.12,6260 r0 top
D4 "BZX84C47LT1G" ONSC-SOT-23-3-318-08_V 11510,5965 r0 top
D5 "C106MG" TO229P280X780X1410-3P 12380,6174.84 r90 top
D6A "BAV199-7-F" DIOD-SOT23-3_A_V 9864.32,2530 r270 top (schematic designator D6)
D6B "BAV199-7-F" DIOD-SOT23-3_A_V 10244.32,2530 r270 top (schematic designator D6)
D6C "BAV199-7-F" DIOD-SOT23-3_A_V 10619.32,2530 r270 top (schematic designator D6)
D6D "BAV199-7-F" DIOD-SOT23-3_A_V 10999.32,2530 r270 top (schematic designator D6)
D6E "BAV199-7-F" DIOD-SOT23-3_A_V 11379.32,2530 r270 top (schematic designator D6)
D6F "BAV199-7-F" DIOD-SOT23-3_A_V 11754.32,2530 r270 top (schematic designator D6)
D6G "BAV199-7-F" DIOD-SOT23-3_A_V 12134.32,2530 r270 top (schematic designator D6)
D6H "BAV199-7-F" DIOD-SOT23-3_A_V 12509.32,2530 r270 top (schematic designator D6)
D6I "BAV199-7-F" DIOD-SOT23-3_A_V 12889.32,2585 r270 top (schematic designator D6)
D6J "BAV199-7-F" DIOD-SOT23-3_A_V 13264.32,2530 r270 top (schematic designator D6)
D7 "1N4751A" FAIR-DO-41-2_V 3555,6165 r90 top
D9 "PMEG6020ER,115" FP-SOD123W-MFG 7850.12,7385 r180 top
D10 "BZT52C15S-7-F" FP-SOD323-IPC_A 7560,6925 r90 top
D11 "PTVS58VS1UR,115" SOD123W 4640,6125 r0 top
D12 "PMEG6020ER,115" FP-SOD123W-MFG 6255,6329.65 r90 top
D13 "BZT52C15S-7-F" FP-SOD323-IPC_A 6365,6089.65 r90 top
D14 "PTVS58VS1UR,115" SOD123W 5975,6009.65 r0 top
D15A "ESD5B5.0ST1G" ONSC-SOD-523-2-502-01_C_V 1370,1965 r90 top value=32pF (schematic designator D15)
D15B "ESD5B5.0ST1G" ONSC-SOD-523-2-502-01_C_V 1380,2180 r90 top value=32pF (schematic designator D15)
D16 "BAV199-7-F" DIOD-SOT23-3_A_V 15280,6350 r0 top
D17 "BAV199-7-F" DIOD-SOT23-3_A_V 13635,6350 r0 top
D18 "SMBJ28A" FP-SMBJ-MFG 14525,4250 r90 top
D19 "SMBJ28A" FP-SMBJ-MFG 14855,3820 r90 top
D20A "ESD5B5.0ST1G" ONSC-SOD-523-2-502-01_C_V 1485,1955 r90 top value=32pF (schematic designator D20)
D20B "ESD5B5.0ST1G" ONSC-SOD-523-2-502-01_C_V 1495,2170 r90 top value=32pF (schematic designator D20)
D21A "SMAJ5.0CA" FP-SMAJ-MFG 1276,2810 r0 top (schematic designator D21)
D21B "SMAJ5.0CA" FP-SMAJ-MFG 1286,3070 r0 top (schematic designator D21)
D22A "SMAJ5.0CA" FP-SMAJ-MFG 1896,3320 r90 top (schematic designator D22)
D22B "SMAJ5.0CA" FP-SMAJ-MFG 1896,3705 r90 top (schematic designator D22)
D23 "SMBJ28A" FP-SMBJ-MFG 12795,3761.46 r90 top
D24 "SMBJ28A" FP-SMBJ-MFG 12295,4180 r90 top
D25 "SMBJ28A" FP-SMBJ-MFG 13285,4620 r90 top
D26 "SMBJ28A" FP-SMBJ-MFG 12200,5025 r90 top
D27A "SMBJ28A" FP-SMBJ-MFG 14915,889.32 r90 top (schematic designator D27)
D27B "SMBJ28A" FP-SMBJ-MFG 14920,1289.32 r90 top (schematic designator D27)
D27C "SMBJ28A" FP-SMBJ-MFG 14920,1754.32 r90 top (schematic designator D27)
D27D "SMBJ28A" FP-SMBJ-MFG 14915,2169.32 r90 top (schematic designator D27)
D27E "SMBJ28A" FP-SMBJ-MFG 14925,2574.32 r90 top (schematic designator D27)
D28A "SMBJ28A" FP-SMBJ-MFG 13615,789.32 r90 top (schematic designator D28)
D28B "SMBJ28A" FP-SMBJ-MFG 13635,1189.32 r90 top (schematic designator D28)
D28C "SMBJ28A" FP-SMBJ-MFG 13635,1654.32 r90 top (schematic designator D28)
D28D "SMBJ28A" FP-SMBJ-MFG 13630,2069.32 r90 top (schematic designator D28)
D28E "SMBJ28A" FP-SMBJ-MFG 13640,2474.32 r90 top (schematic designator D28)
D29 "1N5819HW-7-F" FP-SOD123-IPC_A 6865,1640 r90 top
D30 "SMBJ28A" FP-SMBJ-MFG 5245,1605 r180 top
D31 "SZMMSZ5255BT1G" ONSC-SOD-123-2-425-04_V 5200,710 r90 top
D32 "1N5819HW-7-F" FP-SOD123-IPC_A 6005,1255 r90 top
D33 "SZMMSZ5244BT1G" ONSC-SOD-123-2-425-04_V 5505,645 r0 top
D34 "ESD501DPYR" ESD501DPYR 6095,860 r0 top
D35 "IP4234CZ6,125" Nexperia_SOT457_IPC_C 16799.63,70.87 r0 top
D36 "PTVS58VS1UR,115" SOD123W 6725,6614.88 r90 top
D37A "PCA9306DCTT" SOP65P400X130-8N 1940,810 r0 top (schematic designator D37)
D37B "PCA9306DCTT" SOP65P400X130-8N 1955,1035 r0 top (schematic designator D37)
F1A "0466.500NRHF" FP-0466-MFG 1966,2775 r0 top value=248mΩ (schematic designator F1)
F1B "0466.500NRHF" FP-0466-MFG 1976,3035 r0 top value=248mΩ (schematic designator F1)
F2 "SF-1206FP200-2" FP-SF-1206FP-MFG 11500,6245 r90 top
F3 "0466001.NRHF" FP-0466-MFG 3060,7340 r0 top
F4 "SF-1206FP150-2" FUSC3116X70N 7425,7345 r0 top
F5 "SF-1206FP150-2" FUSC3116X70N 6070,6254.65 r0 top
F6 "SF-1206FP150-2" FUSC3116X70N 4008.7,6500 r0 top
F6A "0466.500NRHF" FP-0466-MFG 2516,3275 r0 top value=248mΩ (schematic designator F6)
F6B "0466.500NRHF" FP-0466-MFG 2516,3660 r0 top value=248mΩ (schematic designator F6)
F7 "F0402G0R05FNTR" FP-F0402G-MFG 15070,4105 r0 top value=3.4Ω
F8 "0ZCM0001FF2G" FP-0ZCM0001FF2G-MFG 14920,4105 r0 top
F9 "F0402G0R05FNTR" FP-F0402G-MFG 14710,4490 r0 top value=3.4Ω
F10 "0ZCM0001FF2G" FP-0ZCM0001FF2G-MFG 14485,4510 r90 top
F11 "F0402G0R05FNTR" FP-F0402G-MFG 13525,3720 r0 top value=3.4Ω
F12 "0ZCM0001FF2G" FP-0ZCM0001FF2G-MFG 13420,3735 r90 top
F13 "F0402G0R05FNTR" FP-F0402G-MFG 13290,4035 r90 top value=3.4Ω
F14 "0ZCM0001FF2G" FP-0ZCM0001FF2G-MFG 13070,4055 r90 top
F15 "F0402G0R05FNTR" FP-F0402G-MFG 13760,4905 r90 top value=3.4Ω
F16 "0ZCM0001FF2G" FP-0ZCM0001FF2G-MFG 13535,4925 r90 top
F17 "F0402G0R05FNTR" FP-F0402G-MFG 11340,4475 r90 top value=3.4Ω
F18 "0ZCM0001FF2G" FP-0ZCM0001FF2G-MFG 11115,4495 r90 top
F19A "F0402G0R05FNTR" FP-F0402G-MFG 15375,744.32 r90 top value=3.4Ω (schematic designator F19)
F19B "F0402G0R05FNTR" FP-F0402G-MFG 15380,1144.32 r90 top value=3.4Ω (schematic designator F19)
F19C "F0402G0R05FNTR" FP-F0402G-MFG 15380,1609.32 r90 top value=3.4Ω (schematic designator F19)
F19D "F0402G0R05FNTR" FP-F0402G-MFG 15375,2024.32 r90 top value=3.4Ω (schematic designator F19)
F19E "F0402G0R05FNTR" FP-F0402G-MFG 15385,2429.32 r90 top value=3.4Ω (schematic designator F19)
F20A "0ZCM0001FF2G" FP-0ZCM0001FF2G-MFG 15070,964.32 r90 top (schematic designator F20)
F20B "0ZCM0001FF2G" FP-0ZCM0001FF2G-MFG 15075,1364.32 r90 top (schematic designator F20)
F20C "0ZCM0001FF2G" FP-0ZCM0001FF2G-MFG 15075,1834.32 r90 top (schematic designator F20)
F20D "0ZCM0001FF2G" FP-0ZCM0001FF2G-MFG 15070,2244.32 r90 top (schematic designator F20)
F20E "0ZCM0001FF2G" FP-0ZCM0001FF2G-MFG 15080,2654.32 r90 top (schematic designator F20)
F21A "F0402G0R05FNTR" FP-F0402G-MFG 14035,874.32 r90 top value=3.4Ω (schematic designator F21)
F21B "F0402G0R05FNTR" FP-F0402G-MFG 14040,1274.32 r90 top value=3.4Ω (schematic designator F21)
F21C "F0402G0R05FNTR" FP-F0402G-MFG 14040,1739.32 r90 top value=3.4Ω (schematic designator F21)
F21D "F0402G0R05FNTR" FP-F0402G-MFG 14035,2154.32 r90 top value=3.4Ω (schematic designator F21)
F21E "F0402G0R05FNTR" FP-F0402G-MFG 14045,2559.32 r90 top value=3.4Ω (schematic designator F21)
F22A "0ZCM0001FF2G" FP-0ZCM0001FF2G-MFG 14040,689.32 r90 top (schematic designator F22)
F22B "0ZCM0001FF2G" FP-0ZCM0001FF2G-MFG 14045,1089.32 r90 top (schematic designator F22)
F22C "0ZCM0001FF2G" FP-0ZCM0001FF2G-MFG 14045,1559.32 r90 top (schematic designator F22)
F22D "0ZCM0001FF2G" FP-0ZCM0001FF2G-MFG 14040,1969.32 r90 top (schematic designator F22)
F22E "0ZCM0001FF2G" FP-0ZCM0001FF2G-MFG 14050,2379.32 r90 top (schematic designator F22)
F23 "0ZAF0005FF28" FUSC7451X260N 5645,1680 r90 top
FB1 "BLM15AG121SH1D" FP-BLM15-0_05-IPC_A 7230,2930 r0 top
J1 "FCR7350R" FCR7350R 11330,6764.61 r270 top
J2 "FCR7350B" FCR7350B 11865,6764.61 r270 top
J3 "USB4110-GF-A" FP-USB4110-GF-A-MFG 3010.16,7699.88 r180 top
J4 "691313710002" 691313710002 4230,7645 r180 top